# KiCad board klor1_3.kicad_pcb (continued)
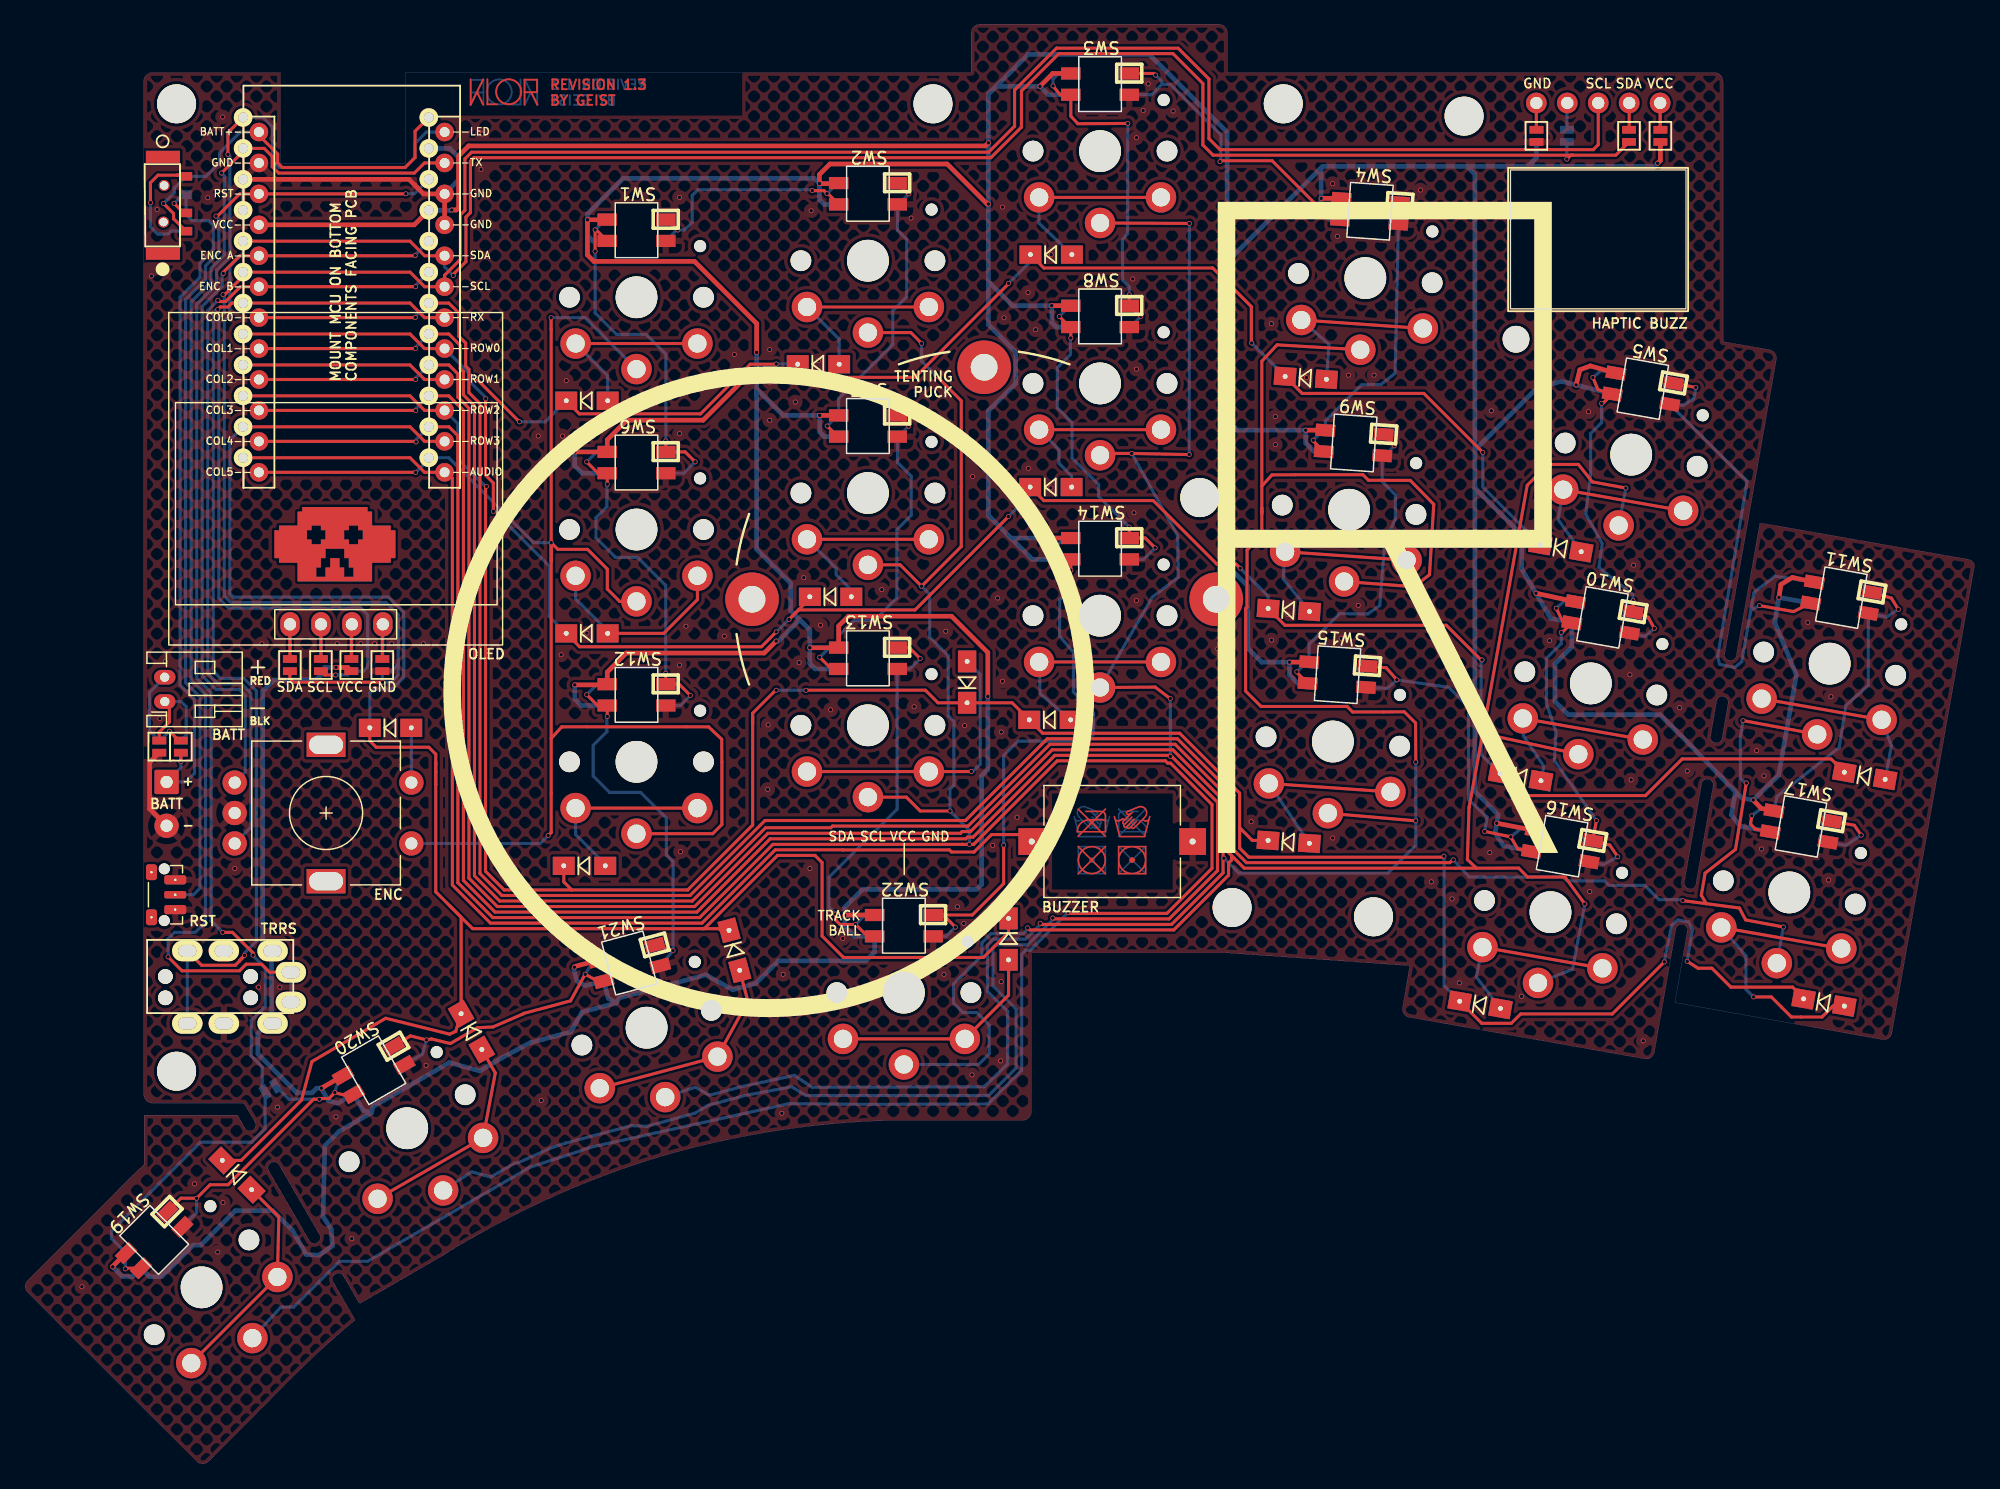
[diagram p0: board, top side]
## Routing (per net, layer and track width the routed paths; a pad name or vN(x,y) marks a point on that pad's centre or on a via; arc(x,y) is an arc through that point) (continued)
+BATT: length 32.4
  Top w0.254: v1(11.42,103.55) 12.24,102.73 12.24,102.3 12.25,102.3 PSW1.3 ; U1.24 32.06,109.48 32.06,107.32 31.25,106.5 21.16,106.5 20.79,106.88 20.79,107.61 19.25,109.15
  Bottom w0.254: v1(11.42,103.55) 12.3,104.44 12.3,104.81 PSW1.3 14.89,105.78 16.02,106.91 16.02,107.72 17.72,109.42 U1.24
/PAD1: length 8.1
  Top w0.254: 11.9,62.28 11.9,60.98 11.07,60.15 JP22.1
  Bottom w0.254: BT1.1 12.86,62.65 13.28,62.23 13.28,59.89 JP23.1
/PAD2: length 8.2
  Top w0.254: 12.68,59.45 v1(11.91,60.22)
  Bottom w0.254: JP25.1 10.27,60.25 10.27,63.4 BT1.2 ; 11.14,59.45 v1(11.91,60.22)
/PSW: length 59.2
  Top w0.254: v1(12.85,57.73) JP24.2 ; 13.07,102.78 v1(12.29,103.56)
  Bottom w0.254: PSW1.2 13.27,102.64 13.76,102.15 15.1,102.15 15.5,101.75 15.5,99.71 14.41,98.62 14.41,97.48 12.78,95.85 12.78,64.02 13.96,62.84 13.96,56.77 13.25,56.05 BT2.1 12.85,57.23 v1(12.85,57.73) JP24.2 ; 13.01,104.28 v1(12.29,103.56)
AUDIO: length 103.4
  Top w0.254: BZ1.1 82.36,51.16 81.79,51.73 79.38,51.73 77.95,50.3 76.09,50.3 75.92,50.47 67.18,50.47 67.17,50.48 61.63,50.48 55.61,44.46 38.25,44.46 35.13,47.59 35.13,68.45 35.13,81 34.65,81.48 ; U1.12 31.65,82.67 32.85,81.48 U1.12
col0: length 212.1
  Top w0.254: U1.18 32.06,94.18 v1(32.08,94.2) ; v1(117.27,49.65) 116.97,49.43 100.3,49.43 99.29,50.44 99.29,54.95 94.63,59.6 83.95,59.6 77.24,52.89 60.79,52.89 54.63,46.73 39.19,46.73 37.39,48.53 37.39,87.12 36.49,88.03 36.49,89.93 36.22,90.2 36.22,92.09 35.66,92.65 35.66,94.55 34.83,95.37 U1.18 ; 138.04,46.06 140.75,45.7 141.27,44.72 v1(144.37,44.14) ; 138.04,46.06 137.63,46.75 137.94,48.56 140.44,50.52 v1(141.32,55.97) ; 138.04,46.06 v1(136.11,46.31) ; v1(141.05,61.09) SW11.5
  Bottom w0.254: v1(141.05,61.09) 140.83,59.69 140.83,56.36 141.27,55.92 141.27,55.92 v1(141.32,55.97) ; U1.18 32.08,94.26 v1(32.08,94.2) ; v1(117.27,49.65) 118.6,48.24 126.29,48.24 126.6,47.93 129.67,47.93 130.08,47.55 132.99,47.56 134.16,46.39 136.04,46.39 v1(136.11,46.31) ; SW17.5 v1(144.37,44.14)
col1: length 272.6
  Top w0.254: v1(32.1,91.64) 32.09,91.64 U1.17 ; 119.18,48.98 118.43,49.67 118.57,53.95 119.83,60.79 ; 119.18,48.98 117.43,48.97 100.11,48.97 99.08,50.01 ; 119.18,48.98 122.64,48.98 123.37,48.24 126.44,48.24 v1(128.07,46.03) ; 119.83,60.79 120.54,59.84 SW10.5 ; 119.83,60.79 119.97,61.57 123.34,80.41 125.05,82.12 127.55,82.12 128.68,80.69 v1(131.44,80.18) ; v1(82.35,44.07) 82.51,43.9 94.34,43.9 98.83,48.4 98.83,49.39 99.08,49.63 99.08,50.01 ; 99.08,50.01 98.83,50.25 98.83,54.76 94.45,59.15 84.17,59.15 77.46,52.43 66.33,52.43 66.19,52.29 60.84,52.29 54.82,46.28 39,46.28 36.94,48.34 36.94,86.93 36.03,87.84 36.03,89.74 35.77,90.01 35.77,91.9 34.83,92.83 U1.17
  Bottom w0.254: SW22.5 78.31,32.86 79.18,33.72 79.18,36.1 78.16,37.12 77.03,37.12 76.25,37.9 76.25,39.45 78.59,41.79 78.59,42.85 79.34,43.6 81.98,43.6 82.35,43.97 v1(82.35,44.07) ; v1(128.07,46.03) 127.06,40.67 SW16.5 ; v1(32.1,91.64) 32.1,91.74 U1.17 ; v1(131.44,80.18) SW5.5
col2: length 312.1
  Top w0.254: v1(32.11,89.09) 32.1,89.1 U1.16 ; v1(114.2,57.69) 114.18,60.89 113.25,61.81 111.56,61.8 109.01,61.8 108.56,62.25 101.49,62.25 100.23,63.52 100.23,70.29 100.35,70.41 100.35,75.1 101.56,76.31 101.56,78.11 ; 101.56,78.11 101.56,78.54 101.56,78.24 ; 101.56,78.11 101.56,78.24 ; SW4.5 102.81,91.94 101.56,90.6 101.56,80.34 ; SW9.5 114.06,72.08 115.32,73.07 115.67,78.85 113.74,80.81 110.31,80.83 109.86,81.28 104.3,81.28 102.39,81.26 101.56,80.34 ; SW15.5 v1(114.2,52.86) ; 101.56,80.34 101.56,78.24 ; U1.16 34.84,90.29 35.58,89.56 35.58,87.65 36.49,86.74 36.49,48.16 38.82,45.83 55.01,45.83 61.02,51.84 76.83,51.84 76.97,51.98 77.65,51.98 84.36,58.69 94.26,58.69 98.38,54.57 98.38,48.59 94.15,44.36 83.46,44.36 v1(83.37,44.45)
  Bottom w0.254: v1(98.45,49.8) 99.67,48.57 111.92,48.57 114.2,50.85 v1(114.2,52.86) 114.2,57.68 v1(114.2,57.69) ; SW21.5 55.07,30.99 56.22,30.33 58.76,31.01 63.2,31.96 64.65,30.98 78.77,31.02 80.69,32.88 80.7,37.22 79.03,38.85 79.04,39.12 79.04,42.66 79.53,43.15 82.17,43.15 83.37,44.35 v1(83.37,44.45) ; U1.16 32.11,89.21 v1(32.11,89.09)
col3: length 280
  Top w0.254: 94.07,58.24 84.56,58.24 84.56,58.22 77.87,51.52 77.86,51.53 77.41,51.53 77.27,51.39 61.21,51.39 55.2,45.37 38.63,45.37 36.03,47.97 36.03,86.55 34.83,87.75 U1.15 ; v1(32.12,86.54) 32.1,86.56 U1.15 ; 89,83.03 v1(90.88,83.03) v1(95.6,82.93) ; SW14.5 92.8,63.84 v1(94.05,62.89) ; v1(95.61,101.91) SW3.5 ; v1(84.41,44.88) 84.48,44.81 93.96,44.81 97.92,48.77 97.92,54.38 94.16,58.15 v1(94.05,58.15)
  Bottom w0.254: v1(94.05,58.15) 94.05,61.53 v1(94.05,62.89) ; v1(90.88,83.03) 94.65,76.28 94.7,72.87 92.57,71.22 SW14.5 ; v1(32.12,86.54) 32.12,86.68 U1.15 ; SW20.5 36.55,23.94 36.71,24.04 38.28,23.62 40.25,24.76 40.59,24.81 43.32,26.04 44.39,26.39 49.83,27.84 51.07,27.77 55.05,28.86 56.09,29.5 59.17,30.31 62.98,31.03 64.12,30.31 79.14,30.31 81.4,32.56 81.4,37.4 79.5,39.31 79.5,42.47 79.71,42.68 82.35,42.68 84.41,44.74 v1(84.41,44.88) ; v1(95.6,82.93) v1(95.61,101.91)
col4: length 290.7
  Top w0.254: v1(32.15,83.97) 32.1,84.02 U1.14 ; SW7.5 71.88,73.88 v1(73.63,72.12) 76.89,75.38 76.89,87.35 v1(74.81,89.43) ; SW13.5 72.39,54.81 73.53,53.67 v1(75.97,53.67) ; v1(73.64,92.06) 72.76,92.95 SW2.5 ; v1(77.56,50.93) 77.34,50.93 ; U1.14 34.85,85.21 35.58,84.48 35.58,47.78 38.44,44.92 55.42,44.92 61.44,50.93 76.99,50.93 77,50.93 77.91,50.93 84.77,57.79 93.65,57.79 93.83,57.6 94.07,57.6 97.47,54.2 97.47,48.96 93.77,45.26 85.66,45.26 85.65,45.28 v1(85.65,45.34)
  Bottom w0.254: v1(32.15,83.97) 32.15,84.17 U1.14 ; SW19.5 21.05,12.93 22.1,12.93 25.86,16.69 27.41,16.69 28.16,16.69 41.49,24.41 46.65,26.1 62.72,29.63 69.47,29.58 79.1,29.61 79.33,29.85 81.85,32.38 81.85,41.91 82.17,42.23 82.54,42.23 83.03,42.72 ; v1(73.64,92.06) 73.64,90.6 v1(74.81,89.43) ; v1(73.63,72.12) 74.3,71.45 74.3,67.93 75.82,66.41 75.82,61.5 76.28,61.04 76.28,55.77 75.97,55.46 v1(75.97,53.67) 77.56,52.08 v1(77.56,50.93) ; 83.03,42.72 v1(85.65,45.34) ; 83.03,42.72 82.58,42.27 82.58,42.27
ENCA: length 63.5
  Top w0.254: v1(16.32,97.8) 16.34,97.82 16.34,97.92 17.68,99.26 U1.20 32.05,99.26 v1(32.08,99.28)
  Bottom w0.254: v1(16.32,97.8) 16.22,97.71 16.22,96.73 14.6,95.1 14.6,64.77 15.72,63.65 17.65,63.65 18.13,63.16 18.13,56.88 SW18.A ; U1.20 32.08,99.34 v1(32.08,99.28)
ENCB: length 66.5
  Top w0.254: v1(32.11,96.72) 32.1,96.72 U1.19 17.74,96.72 16.52,95.5 15.98,95.5 v1(15.88,95.6)
  Bottom w0.254: U1.19 32.11,96.83 v1(32.11,96.72) ; SW18.B 18.59,52.33 18.59,63.35 17.83,64.1 15.91,64.1 15.05,64.96 15.05,94.77 v1(15.88,95.6)
LED: length 130.9
  Top w0.254: v1(8.29,16.07) 8.35,16.13 SW19.3 ; v1(18.77,41.83) 18.77,42.02 17.08,43.7 v1(16.28,43.7) ; v1(16.71,107.57) 16.71,109.37 U1.1
  Bottom w0.254: 19.76,30.89 19.52,31.13 19.52,32.64 18.62,33.54 18.62,36.47 19.76,37.61 19.76,40.79 18.77,41.79 v1(18.77,41.83) ; v1(8.29,16.07) 8.29,17.32 ; U1.1 19.59,110.61 20.37,109.84 20.37,107.02 20.89,106.5 31.25,106.5 32.07,107.33 32.07,108.49 33,109.42 U1.1 ; v1(16.71,107.57) 16.86,107.42 16.86,99.14 15.77,98.05 15.77,96.92 14.14,95.29 14.14,64.58 15.32,63.4 15.32,44.66 v1(16.28,43.7) ; JP26.2 19.76,27.58 18.65,26.47 14.45,26.47 7.15,19.17 7.15,18.56 SW19.3
RESET: length 77.9
  Top w0.254: v1(15.73,102.51) 15.85,102.51 17.67,104.34 U1.22 31.3,104.34 v1(31.31,104.35)
  Bottom w0.254: v1(15.73,102.51) 15.96,102.28 15.96,99.52 14.86,98.43 14.86,97.3 13.23,95.67 13.23,64.21 14.41,63.03 14.41,47.33 13.88,46.79 RSW1.2 ; v1(31.31,104.35) 31.32,104.35 32.01,104.35 U1.22
row0: length 130
  Top w0.254: v1(37.01,89.24) v1(40.63,85.62) ; D1.1 45.55,86.28 55.49,86.28 59.57,90.35 61.69,90.35 v1(61.71,90.37) ; D3.1 83.67,98.25 97.53,98.25 100.7,95.09 100.7,92.13 v1(100.73,92.09) ; v1(119.7,83.12) 114.86,87.95 104.87,87.95 D4.1 ; D2.1 64.55,89.28 73.09,89.28 80.77,96.95 v1(80.77,96.99) ; U1.8 31.65,92.83 32.85,91.64 U1.8
  Bottom w0.254: D4.1 v1(100.73,92.09) ; D1.1 42.74,85.62 v1(40.63,85.62) ; v1(61.71,90.37) 63.45,90.37 ; D5.1 119.7,80.27 v1(119.7,83.12) ; U1.8 36.88,89.24 v1(37.01,89.24) ; 82.57,98.79 v1(80.77,96.99)
row1: length 174.2
  Top w0.254: v1(99.78,73.6) 99.44,73.95 97.86,73.95 92.65,79.15 83.67,79.15 D8.1 ; D11.1 148.28,57.94 136.06,57.94 133.05,54.93 122.93,54.93 D10.1 ; v1(119.63,66.07) 119.55,66.07 116.71,68.92 103.45,68.92 D9.1 ; 64.47,71.11 v1(62.76,69.41) 63.53,70.18 73.09,70.18 80.76,77.84 v1(80.76,77.84) ; v1(37.87,87.51) 37.85,87.49 37.85,81.25 38.49,80.61 38.49,78.27 v1(38.49,78.27) ; v1(61.71,68.38) 61.71,68.37 60.49,67.15 45.57,67.15 D6.1 ; U1.9 32.85,89.1 31.65,90.29 U1.9
  Bottom w0.254: v1(99.78,73.6) 102.08,71.31 D9.1 ; v1(38.49,78.27) 38.59,78.27 43.06,73.8 43.06,69.66 D6.1 ; v1(119.63,66.07) 119.57,66.07 119.56,66.07 119.56,58.3 D10.1 ; v1(62.76,69.41) 61.85,68.5 61.83,68.5 v1(61.71,68.38) ; D8.1 82.55,79.64 v1(80.76,77.84) ; U1.9 36.39,89.1 37.92,87.57
row2: length 212.7
  Top w0.254: D16.1 119.61,36.24 122.04,36.24 122.8,37 130.32,37 v1(134.6,41.28) ; 59.77,61.42 59.77,60.83 ; 146.02,38.31 145.12,39.21 140.05,39.21 138.5,40.76 137.37,40.76 v1(136.47,41.33) ; 99.74,52.3 99.74,50.63 100.49,49.88 116.43,49.88 v1(116.51,49.96) ; 99.74,52.3 99.74,55.14 94.82,60.05 83.57,60.05 D14.1 81.07,62.55 D13.1 74.98,62.55 73.95,63.59 64.15,63.59 v1(64.15,63.58) ; 99.74,52.3 100.78,51.25 D15.1 ; 59.77,60.83 59.77,52.51 54.44,47.19 44.93,47.19 ; 59.77,60.83 59.77,61.7 61.66,63.59 v1(61.71,63.59) ; 44.93,47.19 44.27,47.85 D12.1 ; 44.93,47.19 39.38,47.19 37.85,48.72 37.85,80.29 37.87,80.31 37.94,80.31 ; U1.10 32.85,86.56 31.65,87.75 U1.10
  Bottom w0.254: D16.1 116.52,39.32 116.52,49.73 116.52,49.95 v1(116.51,49.96) ; v1(134.6,41.28) 135.2,44.28 135.7,44.73 136.6,44.55 136.9,43.93 v1(136.47,41.33) ; v1(64.15,63.58) 64.14,63.59 v1(61.71,63.59) ; U1.10 35.58,85.47 35.58,82.57 37.83,80.31 37.94,80.31 v1(37.93,80.32)
row3: length 175.4
  Top w0.254: 33.76,55.85 33.76,58.34 33.2,58.9 28.87,58.9 28.35,59.42 D18.1 ; 33.76,55.85 33.76,57.69 ; 33.76,55.85 33.76,47.03 34.87,45.93 ; D22.1 80.78,43.71 78.71,41.64 67.23,41.64 65.47,43.41 65.47,49.44 64.88,50.02 61.81,50.02 55.8,44.01 55.6,44.01 ; 34.87,45.93 35.84,44.95 D20.1 35.4,35.58 34.9,35.34 29.65,36.65 23.6,33.1 22.75,29.97 22.75,29.94 17.79,24.98 D19.1 ; 34.87,45.93 36.79,44.01 55.6,44.01 ; D21.1 57.15,43.87 57.02,44.01 55.6,44.01 ; U1.11 31.65,85.21 32.85,84.02 U1.11
  Bottom w0.254: D18.1 28.35,63.36 28.67,63.68 30.18,63.68 31.14,64.64 31.14,69.96 29.87,71.23 17.14,71.23 16.86,71.51 16.86,84.12 U1.11
RX: length 87.5
  Top w0.254: U1.7 32.85,94.18 31.65,95.37 U1.7 17.03,95.37 16.71,95.05 16.07,95.05 v1(15.87,94.85) ; 17.95,41.65 17.66,41.35 ; 17.66,41.35 17.31,41 14.55,41 J1.3 ; 17.66,41.35 17.66,41.4 v1(18.07,41.81)
  Bottom w0.254: J1.3 J1.3 ; v1(15.87,94.85) 15.77,94.85 15.5,94.58 15.5,65.15 16.1,64.55 18.02,64.55 19.04,63.53 19.04,42.98 18.07,42.01 v1(18.07,41.81)
SCL: length 185.5
  Top w0.254: U1.6 31.65,97.91 32.85,96.72 U1.6 34.49,97.66 35.79,98.96 35.79,102.62 36.16,102.99 36.16,107.22 36.7,107.76 79.13,107.76 81.27,109.9 81.27,112.86 84.71,116.31 94.69,116.31 97.22,113.77 97.22,108.87 98.13,107.97 128.76,107.97 129.17,108.38 J2.3 ; JP3.2 24.65,64.84 v1(25.55,64.84) ; v1(16.31,96.07) 16.44,96.07 17.95,97.58
  Bottom w0.254: 16.41,95.87 16.41,94.57 15.96,94.11 15.96,71.14 16.77,70.32 27.62,70.32 28.18,69.77 28.18,65.5 27.83,65.15 JP6.2 26.53,64.84 v1(25.55,64.84) ; 16.41,95.87 16.41,95.97 v1(16.31,96.07) ; 16.41,95.87 16.41,96
SDA: length 200.3
  Top w0.254: v1(29.41,64.24) 22.08,64.24 21.79,64.53 JP4.2 ; U1.5 32.85,99.26 31.65,100.45 U1.5 ; 127.11,107.51 126.92,107.51 v1(126.6,107.19) ; 127.11,107.51 130.61,107.51 JP28.1 ; 127.11,107.51 97.56,107.51 96.72,108.35 96.72,113.4 94.27,115.85 84.9,115.85 81.83,112.78 81.83,109.82 79.32,107.31 36.89,107.31 36.61,107.03 36.61,102.8 36.24,102.43 36.24,98.77 35.2,97.74 v1(35.2,97.63)
  Bottom w0.254: 30.68,65.7 30.68,69.78 29.68,70.78 16.95,70.78 16.41,71.32 16.41,93.91 16.86,94.36 16.86,98.39 17.95,99.48 U1.5 ; 30.68,65.7 30.13,65.15 JP5.2 29.38,64.26 v1(29.41,64.24) 30.1,64.24 30.68,64.82 30.68,65.7 ; JP27.1 v1(126.6,107.19) ; v1(35.2,97.63) 34.49,98.35 U1.5
SW18A: length 130.8
  Top w0.254: SW12.5 56.49,51.81 57.25,52.56 57.25,57.65 57.23,59.56 56.16,60.57 54.32,60.58 46.16,60.58 44.09,60.57 43.24,59.62 ; SW6.5 48.86,70.88 47.84,71.89 47.84,73.53 46.22,75.15 43.78,75.15 v1(43.24,75.7) 43.24,74.2 ; 43.24,59.62 43.24,74.2 ; 43.24,59.62 43.24,51.9 v1(42.99,51.65) ; 43.24,74.2 43.24,93.22 43.23,93.23 v1(43.23,94.17) ; U1.13 32.1,81.48 v1(32.11,81.47)
  Bottom w0.254: SW18.S1 42.34,51 v1(42.99,51.65) ; v1(43.23,94.17) 46.02,94.17 SW1.5 ; 33.19,82.55 v1(32.11,81.47) ; U1.13 34.83,82.67 41.81,75.7 v1(43.24,75.7)
SW18B: length 4.5
  Bottom w0.254: SW18.S2 31.76,60.48
TX: length 102.6
  Top w0.254: v1(11.79,41.69) 12.94,40.55 17.66,40.55 18.2,41.09 19.47,41.09 20.13,40.43 J1.4 ; U1.2 19.68,108.07 20.34,107.42 20.34,106.58 20.86,106.05 32.01,106.05 32.84,106.88 U1.2 ; v1(16.18,106.05) 17.95,107.82
  Bottom w0.254: v1(16.18,106.05) 16.41,105.82 16.41,99.33 15.32,98.24 15.32,97.11 13.69,95.48 13.69,64.4 14.87,63.22 14.87,44.54 14.03,43.7 12.32,43.7 11.79,43.18 v1(11.79,41.69) ; J1.4 J1.4
Net-(D1-Pad2): length 15.8
  Top w0.254: SW1.6 SW1.6
  Bottom w0.254: SW1.6 47.87,89.42 D1.2
Net-(D2-Pad2): length 15.8
  Top w0.254: SW2.6 SW2.6
  Bottom w0.254: D2.2 66.87,92.41 SW2.6
Net-(D3-Pad2): length 15.9
  Top w0.254: SW3.6 SW3.6
  Bottom w0.254: SW3.6 83.27,101.93 D3.2
Net-(D4-Pad2): length 15.9
  Top w0.254: SW4.6 SW4.6
  Bottom w0.254: D4.2 107.07,91.98 SW4.6
Net-(D5-Pad2): length 15.7
  Top w0.254: SW5.6 SW5.6
  Bottom w0.254: SW5.6 125.88,77.59 D5.2
Net-(D6-Pad2): length 16.3
  Top w0.254: D6.2 52.47,68.25 55.24,71.02 SW6.6
  Bottom w0.254: D6.2 47.87,68.44 45.24,71.08 SW6.6
Net-(D7-Pad2): length 16.2
  Top w0.254: SW7.6 SW7.6
  Bottom w0.254: D7.2 67.87,71.82 66.63,73.06 66.63,73.58 SW7.6
Net-(D8-Pad2): length 15.8
  Top w0.254: SW8.6 SW8.6
  Bottom w0.254: SW8.6 84.9,83.36 84.9,82.22 85.95,81.18 D8.2
Net-(D9-Pad2): length 15.7
  Top w0.254: SW9.6 SW9.6
  Bottom w0.254: SW9.6 103.31,72.73 D9.2
Net-(D10-Pad2): length 15.7
  Top w0.254: SW10.6 SW10.6
  Bottom w0.254: D10.2 124.71,57.33 123.03,59.84 SW10.6
Net-(D11-Pad2): length 15.1
  Top w0.254: SW11.6 SW11.6
  Bottom w0.254: D11.2 153.23,59.02 SW11.6
Net-(D12-Pad2): length 15.7
  Top w0.254: SW12.6 SW12.6
  Bottom w0.254: SW12.6 45.24,51.74 47.67,49.3 D12.2
Net-(D13-Pad2): length 23.4
  Top w0.254: SW13.6 SW13.6 77.7,56.91 v1(77.72,56.92)
  Bottom w0.254: D13.2 78.45,64.88 78.45,57.51 77.86,56.92 v1(77.72,56.92)
Net-(D14-Pad2): length 15.9
  Top w0.254: SW14.6 SW14.6
  Bottom w0.254: SW14.6 83.37,63.29 D14.2
Net-(D15-Pad2): length 15.9
  Top w0.254: SW15.6 SW15.6
  Bottom w0.254: D15.2 SW15.6
Net-(D16-Pad2): length 15.8
  Top w0.254: SW16.6 SW16.6
  Bottom w0.254: D16.2 119.16,40.04 SW16.6
Net-(D17-Pad2): length 25.2
  Top w0.254: SW17.6 SW17.6 ; v1(141.92,38.4) 143.38,38.4 145.03,36.75 147.54,36.75 148.44,37.65 D17.2
  Bottom w0.254: v1(141.92,38.4) 141.29,39.02 141.29,41.77 SW17.6
Net-(D19-Pad2): length 18.1
  Top w0.254: 18.64,22.58 20.89,20.33 SW19.6 SW19.6
Net-(D20-Pad2): length 17.6
  Top w0.254: D20.2 38.65,32.16 SW20.6 SW20.6
Net-(D21-Pad2): length 17.8
  Top w0.254: 58.7,40.6 59.38,38.06 SW21.6 SW21.6
Net-(D22-Pad2): length 18
  Top w0.254: SW22.6 SW22.6 80.78,38.55 D22.2
Net-(J2-Pad1): length 4.4
  Top w0.254: J2.1 124.09,109.61
  Bottom w0.254: JP13.2 124.1,111.8
Net-(J2-Pad2): length 2.2
  Bottom w0.254: JP27.2 126.6,111.77
Net-(J2-Pad4): length 2.2
  Top w0.254: J2.4 131.71,109.62
Net-(J2-Pad5): length 4.4
  Top w0.254: J2.5 134.25,109.62
  Bottom w0.254: J2.5 134.25,109.62
Net-(JP1-Pad1): length 5.6
  Top w0.254: JP1.1 29.38,68.95
  Bottom w0.254: OLED1.1 29.42,66.19
Net-(JP2-Pad1): length 5.6
  Top w0.254: JP2.1 26.83,68.95
  Bottom w0.254: OLED1.2 26.88,66.19
Net-(JP3-Pad1): length 5.7
  Top w0.254: JP3.1 24.34,69
  Bottom w0.254: OLED1.3 24.34,66.15
Net-(JP4-Pad1): length 5.7
  Top w0.254: JP4.1 21.79,68.99
  Bottom w0.254: OLED1.4 JP8.1
Net-(JP26-Pad1): length 27
  Top w0.254: 26.69,30.23 v1(25.48,30.55) 24.99,30.06 24.31,30.06 24.31,30.03 ; SW19.1 12.84,21.87 v1(14.13,21.87) 15.24,22.98 16.71,22.98 23.73,30 v1(24.21,30)
  Bottom w0.254: 25.8,31.73 v1(25.48,30.55) ; v1(14.13,21.87) 14.13,20.69 SW19.1 ; v1(24.21,30) 21.71,30 JP26.1
Net-(SW1-Pad1): length 20.2
  Top w0.254: 52.78,102.23 v1(53.63,101.37) ; SW2.3 65.95,104.36 v1(65.88,104.36) 65.63,104.61 v1(64.66,104.61)
  Bottom w0.254: SW1.1 53.54,101.37 v1(53.63,101.37) 54.18,101.37 54.81,102 54.81,104.21 55.28,104.68 64.59,104.68 v1(64.66,104.61) ; 66.75,105.23 v1(65.88,104.36)
Net-(SW1-Pad3): length 30.2
  Top w0.254: SW1.3 46.94,101.38 v1(46.84,101.38) v1(46.84,99.63) ; v1(55.05,82.33) 54.23,83.15 SW6.1 v1(52.64,84.05)
  Bottom w0.254: SW6.1 54.12,81.4 v1(55.05,82.33) ; v1(52.64,84.05) 52.65,84.06 52.65,91.18 51.02,92.8 48.6,92.8 46.84,94.56 v1(46.84,99.63) ; 47.69,102.23 v1(46.84,101.38)
Net-(SW2-Pad1): length 24.9
  Top w0.254: SW2.1 72.52,104.34 v1(72.59,104.34) ; 66.77,84.4 v1(65.89,85.28)
  Bottom w0.254: 71.72,103.48 v1(72.59,104.34) ; 71.66,103.45 71.66,101.36 72.42,100.6 72.42,95.9 71.27,94.75 71.27,91.98 66.83,87.54 SW7.3 ; 66.76,86.15 v1(65.89,85.28)
Net-(SW3-Pad1): length 28
  Top w0.254: 107.98,102.25 v1(107.06,103.17) 106.29,103.17 102.41,107.06 98.2,107.06 v1(98.12,106.99) ; SW3.1 92.71,114.23 v1(92.84,114.09)
  Bottom w0.254: 93.36,113.33 93.36,113.58 v1(92.84,114.09) ; 93.36,113.33 92.5,112.48 SW3.1 ; 93.36,113.33 94.05,113.33 98.2,109.18 98.2,107.06 v1(98.12,106.99) ; 107.83,103.95 v1(107.06,103.17)
Net-(SW3-Pad3): length 28.5
  Top w0.254: SW8.1 90.68,96.05 v1(90.68,96.05) ; v1(90.56,110.12) 86.47,110.1 85.88,110.72 SW3.3 84.99,112.48 v1(84.42,113.2) ; 90.75,95.15 v1(91.62,94.28)
  Bottom w0.254: v1(90.68,96.05) 90.68,96.68 90.15,97.24 90.11,100.54 90.54,101.08 v1(90.56,110.12) ; v1(84.42,113.2) 84.42,113.76 84.88,114.23 SW3.3 ; 90.75,93.4 v1(91.62,94.28)
Net-(SW4-Pad1): length 25.2
  Top w0.254: 112.97,103.62 v1(113.87,102.72) ; SW9.3 105.78,84.06 v1(105.78,84.12)
  Bottom w0.254: 106.58,84.93 v1(105.78,84.12) ; SW9.3 106.77,85.69 109.75,88.67 111.34,88.68 112.5,89.61 SW4.1 ; 113.01,101.87 v1(113.87,102.72)
Net-(SW10-Pad1): length 29.5
  Top w0.254: v1(133.77,68.66) 133.27,69.57 SW10.1 132.03,70.92 v1(132.03,70.93) ; v1(128.73,89.26) 129.15,88.26 SW5.3 129.55,87.14 v1(129.45,87.14)
  Bottom w0.254: SW10.1 133.02,68 v1(133.77,68.66) ; SW5.3 129.4,89.82 v1(128.73,89.26) ; v1(129.45,87.14) 129.45,87.14 129.45,85.56 128.55,84.65 128.55,81.25 128.14,78.03 129.5,75.61 129.22,73.66 132.03,71.42 v1(132.03,70.93)
Net-(SW10-Pad3): length 29
  Top w0.254: v1(130.77,49.9) 130.12,50.86 SW16.1 v1(129.02,52.88) ; v1(125.72,70.32) 126.23,69.28 SW10.3 126.21,68.33 v1(126.14,68.33)
  Bottom w0.254: v1(130.77,49.9) 129.6,49.27 SW16.1 ; v1(125.72,70.32) 126.46,70.96 SW10.3 ; v1(126.14,68.33) 126.14,68.32 126.14,67.41 124.92,66.19 124.92,62.5 125.7,60.18 125.58,57.81 v1(129.02,52.88)
Net-(SW11-Pad1): length 29.6
  Top w0.254: SW17.3 142.03,52.19 141.67,52.6 v1(141.77,53.28) ; v1(153.8,70.22) 153.23,71.14 SW11.1
  Bottom w0.254: v1(141.77,53.28) 142.53,53.87 SW17.3 143.84,54.86 148.94,58.87 149.5,62.33 151.33,63.98 SW11.1 152.84,69.59 v1(153.8,70.22)
Net-(SW11-Pad3): length 47.6
  Top w0.254: SW11.3 145.2,70.04 v1(142.4,70.53) ; SW5.1 v1(137.18,88.44)
  Bottom w0.254: 141.69,70.14 141.95,71.58 142.07,71.71 143.69,72.95 SW11.3 ; 141.69,70.14 v1(142.4,70.53) ; 141.69,70.14 140.95,65.93 140.37,65.45 139.15,65.7 138.97,66.33 141.4,80.75 140.98,81.17 140.94,81.17 SW5.1 136.13,86.97 137.02,87.52 v1(137.18,88.44)
Net-(SW12-Pad1): length 30
  Top w0.254: v1(46.15,82.33) 47.08,81.4 SW6.3 v1(47.84,80.5) ; v1(54.66,63.15) 53.74,64.08 SW12.1 52.64,64.98 v1(52.64,64.98)
  Bottom w0.254: v1(54.66,63.15) 53.84,62.33 SW12.1 ; v1(47.84,80.5) 47.81,80.48 47.81,78.65 46.92,77.75 46.92,76.09 48.51,74.49 50.33,74.49 52.64,72.19 v1(52.64,64.98) ; SW6.3 46.97,83.15 v1(46.15,82.33)
Net-(SW12-Pad3): length 32.1
  Top w0.254: v1(47.84,61.43) SW12.3 47.05,62.33 v1(46.15,63.22) ; SW21.1 v1(53.24,42.2)
  Bottom w0.254: v1(47.84,61.43) 47.81,61.4 47.81,60.19 46.69,59.06 46.69,56.54 48.03,55.19 50.58,55.19 52.69,53.08 52.69,50.04 53.24,49.5 v1(53.24,42.2) SW21.1 ; SW12.3 47.01,64.08 v1(46.15,63.22)
Net-(SW13-Pad1): length 33.3
  Top w0.254: SW13.1 72.63,67.08 v1(73.52,66.18) ; SW22.3 69.2,43.38 v1(68.22,44.35) 66.94,44.35 66.59,44.7 v1(66.59,45.21)
  Bottom w0.254: SW22.3 69,45.13 v1(68.22,44.35) ; v1(66.59,45.21) 66.03,45.77 66.03,48.22 71.63,53.82 71.63,62.61 71.63,62.61 SW13.1 72.67,65.33 v1(73.52,66.18)
Net-(SW13-Pad3): length 27.5
  Top w0.254: 71.7,86.15 v1(72.58,85.27) ; SW13.3 66.24,65.33 v1(65.27,66.29)
  Bottom w0.254: 71.71,84.4 v1(72.58,85.27) ; v1(65.27,66.29) 66.06,67.08 SW13.3 66.83,68.06 68.08,69.31 69.76,69.31 71.61,71.16 71.61,76.78 72.79,77.96 72.79,81.15 71.66,82.28 71.66,84.38
Net-(SW14-Pad1): length 27.7
  Top w0.254: 85.81,93.4 v1(84.94,94.28) ; SW8.3 v1(85.88,92.5) ; v1(90.68,76.98) 90.68,76.98 SW14.1 92,76.08 v1(92.8,75.27)
  Bottom w0.254: v1(92.8,75.27) 91.86,74.33 SW14.1 ; v1(90.68,76.98) 90.68,76.99 88.17,79.5 88.17,80.45 85.98,82.64 85.98,85.56 84.78,86.77 84.78,90.06 85.86,91.14 85.86,92.48 v1(85.88,92.5) ; 85.82,95.15 v1(84.94,94.28)
Net-(SW14-Pad3): length 50.2
  Top w0.254: v1(85.89,73.43) 85.88,73.44 SW14.3 85.37,74.33 84.43,75.26 v1(83.96,75.26) ; v1(80.37,50.87) 80.37,47.7 77.8,45.13 SW22.1 75.42,45.13 v1(76.41,44.13)
  Bottom w0.254: SW14.3 85.36,76.08 84.54,75.26 v1(83.96,75.26) ; v1(76.41,44.13) 75.66,43.38 SW22.1 ; v1(85.89,73.43) 85.86,73.4 85.86,71.89 84.98,71.01 84.96,68.03 86.11,66.67 86.09,63.45 87.75,61.69 87.74,59.97 87.17,59.4 81.55,59.4 80.37,58.23 v1(80.37,50.87)
Net-(SW15-Pad1): length 29.9
  Top w0.254: v1(112.64,64.43) 111.77,65.42 SW15.1 ; SW16.3 122.56,50.55 v1(121.99,51.54) v1(119.85,51.99)
  Bottom w0.254: SW16.3 122.88,52.26 v1(121.99,51.54) ; SW15.1 111.86,63.73 v1(112.64,64.43) 116.91,63.82 118.53,62.2 118.53,55.07 118.54,54.59 120.05,53.16 v1(119.85,51.99)
Net-(SW15-Pad3): length 26.3
  Top w0.254: 111.56,84.53 v1(112.44,83.65) ; SW15.3 104.43,65.04 v1(104.43,65.1)
  Bottom w0.254: 111.63,82.85 v1(112.44,83.65) ; SW15.3 105.44,67.38 107.94,69.87 110.26,69.85 111.24,70.53 111.65,75.78 112.53,77.63 112.53,79.63 111.44,80.72 SW9.1 ; 105.24,65.9 v1(104.43,65.1)
Net-(SW20-Pad1): length 23.6
  Top w0.254: 47.16,39.63 v1(46.03,40.27) 44.83,38.08 41.02,37.06 40.9,37 38.46,35.94 37.19,35.87 34.95,34.57 33.41,34.95 v1(33,34.87) 31.68,35.2 SW20.1
  Bottom w0.254: v1(46.03,40.27) 46.7,41.32 ; v1(33,34.87) 32.67,33.71 SW20.1
unconnected-(PSW1-Pad1): length 10.3
  Top w0.254: 12.54,105.88 13.17,105.88 ; 12.54,105.88 10.97,105.88 10.35,105.26 10.35,103.62 v1(10.36,103.62) ; 12.54,105.88 12.76,105.88 12.86,105.78
  Bottom w0.254: PSW1.1 12.02,101.28 11.79,101.04 10.94,101.04 10.35,101.63 10.35,103.61 v1(10.36,103.62)
unconnected-(SW17-Pad1): length 5.9
  Top w0.254: SW17.1 150.19,52.49 v1(150.75,51.68)
  Bottom w0.254: SW17.1 149.51,50.85 v1(150.75,51.68)

## Copper pours and planes (outline as drawn; the poured copper is in the pictures)
GND on Top, Bottom: 99.57,115.15 140.42,115.28 140.45,93 145.12,92.2 142.6,78.3 161.1,75 153.7,33.73 135.27,37.2 134.37,32.18 112.05,36.28 112.75,40.15 98.75,41.25 83.5,41.2 83.27,27.28 73.12,27.3 64.82,26.95 57.17,25.65 47.12,22.55 37.62,18.03 28.12,12.3 28.22,11.75 14.72,-1.35 -1.3,14.8 9,24.98 9.02,115.03 9.17,115.03 21.75,114.98 21.77,107.63 30.42,107.6 30.42,114.98 76.97,115.13 77,118.9 99.55,118.9

Small or netless copper shapes (teardrops, artwork), in the pictures only: 7 on Top, 7 on Bottom

## Text on the board
Bottom: REVISION 1.3 / BY GEIST
B.Mask: REVISION 1.3 / BY GEIST
B.Silkscreen: --LED | --TX | --GND | --SDA | --SCL | --ROW1 | --ROW3 | --RX | --ROW2 | --AUDIO | --ROW0 | RST-- | ENC B-- | COL4-- | BATT+-- | GND-- | VCC-- | ENC A-- | COL0-- | COL2-- | COL3-- | COL5-- | COL1-- | RED | BLK | TRACK / BALL | GND | VCC | SCL | SDA | LOST / THUMB? | MOUNT MCU ON BOTTOM / COMPONENTS FACING PCB | TENTING / PUCK | BATT | RST | ENC | OLED | HAPTIC BUZZ | BUZZER
Top: REVISION 1.3 / BY GEIST
F.Mask: REVISION 1.3 / BY GEIST
F.Silkscreen: --SCL | --RX | --ROW1 | --LED | --TX | --GND | --SDA | --ROW0 | --ROW2 | --ROW3 | --AUDIO | COL1-- | COL5-- | RST-- | VCC-- | BATT+-- | GND-- | ENC A-- | ENC B-- | COL0-- | COL2-- | COL3-- | COL4-- | RED | BLK | SDA | SCL | VCC | GND | TRACK / BALL | BUZZER | BATT | RST | ENC | OLED | HAPTIC BUZZ | TENTING / PUCK | MOUNT MCU ON BOTTOM / COMPONENTS FACING PCB
